# KiCad board v2a.kicad_pcb
note: AISLER Project ID: WKVKCAJK
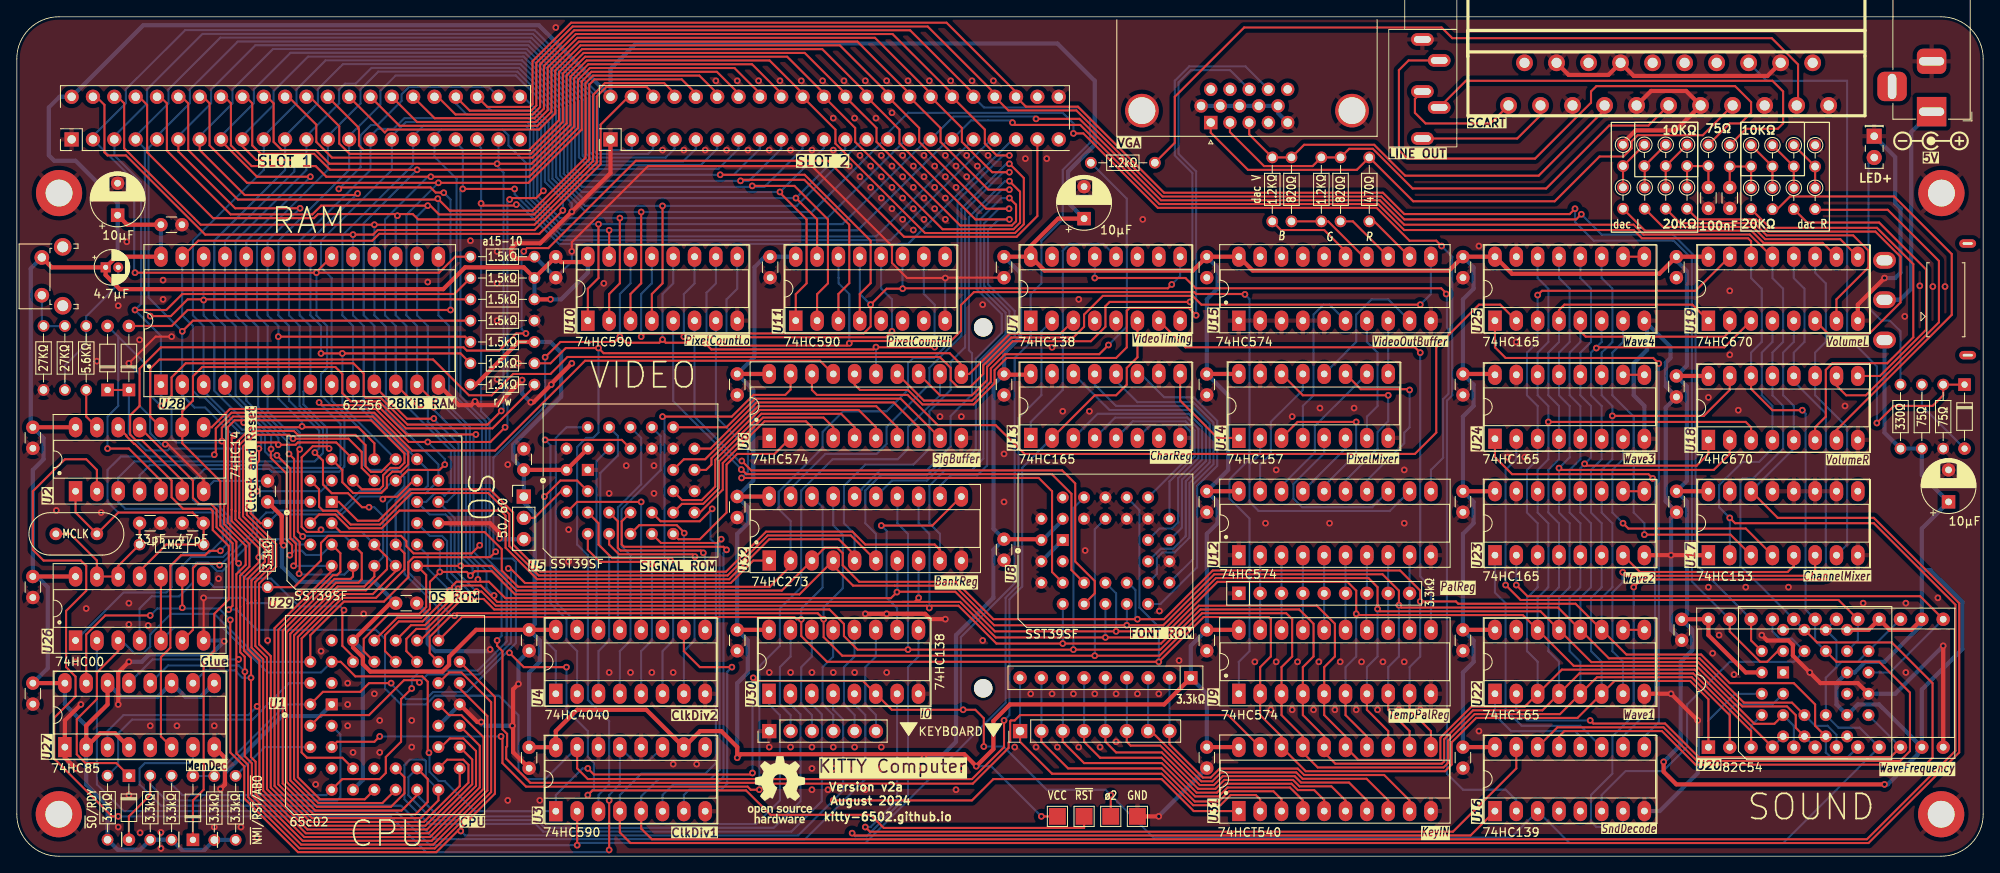
[diagram p0: board, top side]
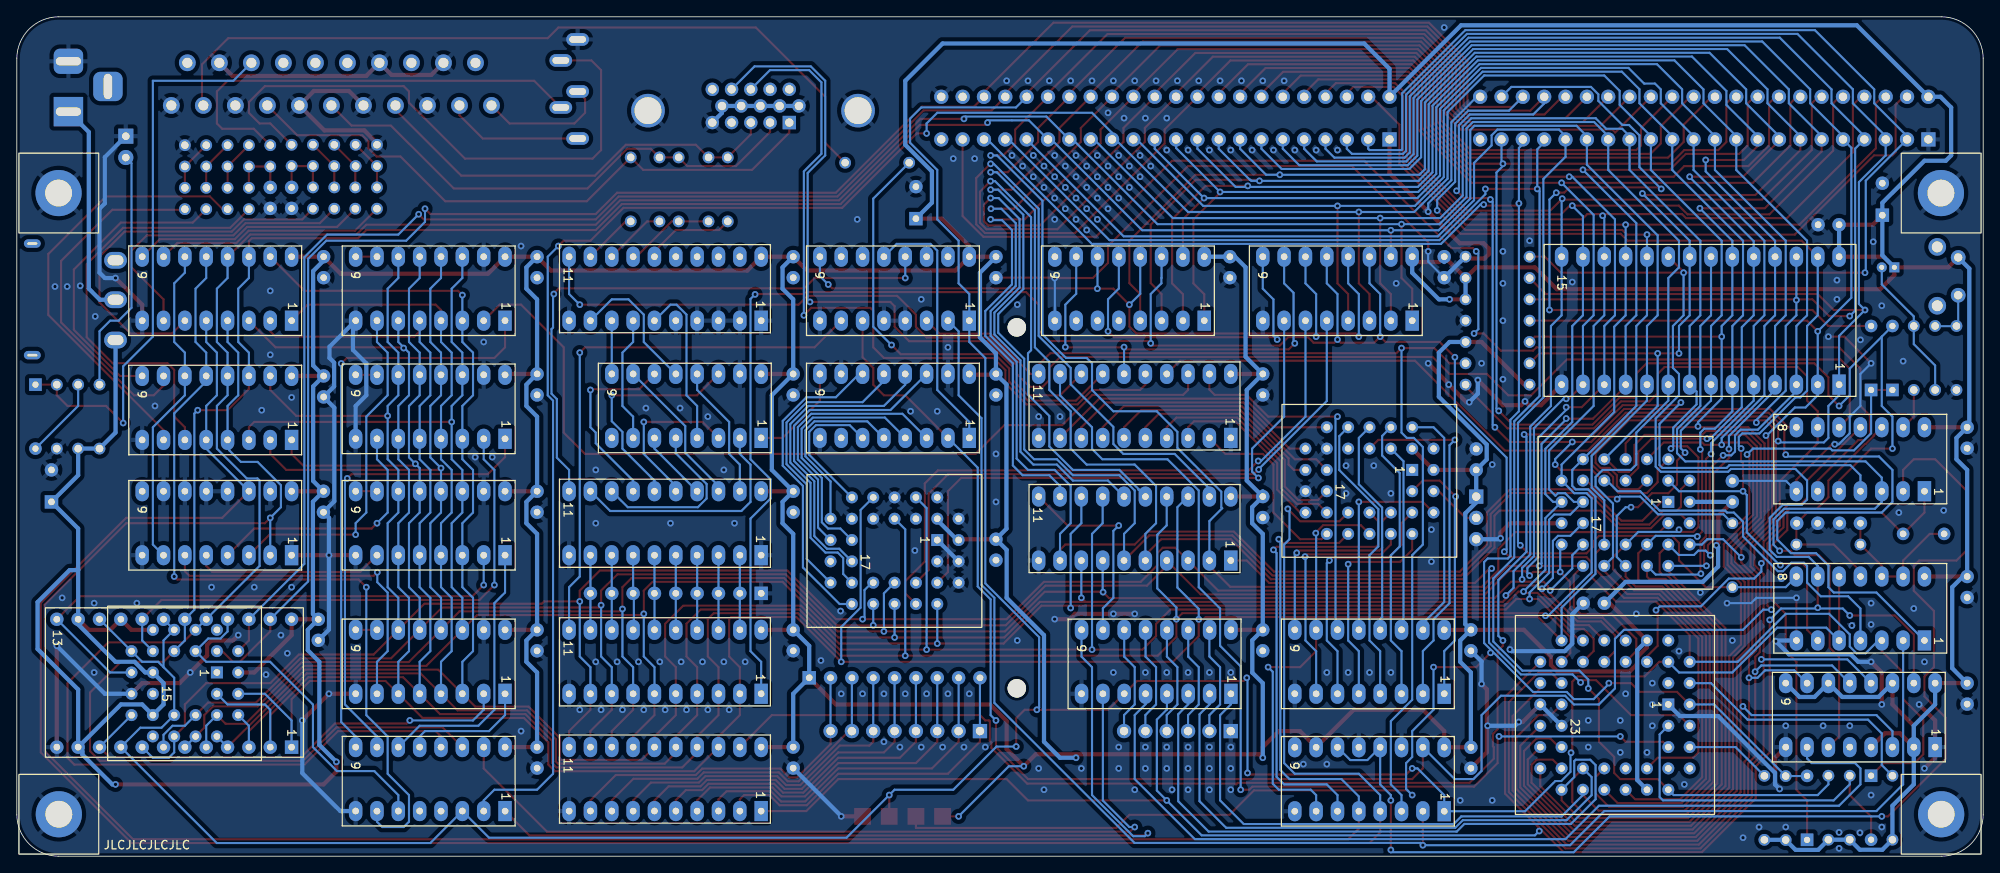
[diagram p1: board, bottom side, seen from below]

Outline 234 x 100 mm; copper layers: Top, Bottom. Coordinates in mm from the lower left corner of the outline.
Outline path: 0,95 0,5 arc(1.46,1.46) 5,0 229,0 arc(232.54,1.46) 234,5 234,95 arc(232.54,98.54) 229,100 5,100 arc(1.46,98.54) 0,95
Stack: Top 0.035mm / dielectric 1.51mm FR4 er 4.5 / Bottom 0.035mm

## Placement (name value [footprint] x y rotation side)
C1  4.7µF  [CP_Radial_D4.0mm_P1.50mm]  10.57 70.15 0 top
C2  33pF  [C_Disc_D3.0mm_W1.6mm_P2.50mm]  14.61 39.67 0 top
C3  47pF  [C_Disc_D3.0mm_W1.6mm_P2.50mm]  22.19 39.67 180 top
C4  100nF  [C_Disc_D3.0mm_W1.6mm_P2.50mm]  201.3 77.17 90 top
C5  100nF  [C_Disc_D3.0mm_W1.6mm_P2.50mm]  203.84 77.17 90 top
C6  10µF  [CP_Radial_D6.3mm_P3.8mm]  229.88 42.84 90 top
C7  10µF  [CP_Radial_D6.3mm_P3.8mm]  127 76.59 90 top
C8  10µF  [CP_Radial_D6.3mm_P3.8mm]  12 77 90 top
Cd1  100nF  [C_Disc_D3.0mm_W1.6mm_P2.50mm]  141.61 26.97 270 top
Cd2  100nF  [C_Disc_D3.0mm_W1.6mm_P2.50mm]  141.61 13 270 top
Cd3  100nF  [C_Disc_D3.0mm_W1.6mm_P2.50mm]  117.48 57.45 270 top
Cd4  100nF  [C_Disc_D3.0mm_W1.6mm_P2.50mm]  85.73 42.84 270 top
Cd5  100nF  [C_Disc_D3.0mm_W1.6mm_P2.50mm]  89.65 71.42 270 top
Cd6  100nF  [C_Disc_D3.0mm_W1.6mm_P2.50mm]  117.48 37.77 270 top
Cd7  100nF  [C_Disc_D3.0mm_W1.6mm_P2.50mm]  85.73 57.45 270 top
Cd8  100nF  [C_Disc_D3.0mm_W1.6mm_P2.50mm]  60.97 26.97 270 top
Cd9  100nF  [C_Disc_D3.0mm_W1.6mm_P2.50mm]  172.09 43.48 270 top
Cd10  100nF  [C_Disc_D3.0mm_W1.6mm_P2.50mm]  29.85 42.21 90 top
Cd11  100nF  [C_Disc_D3.0mm_W1.6mm_P2.50mm]  60.97 12.98 270 top
Cd12  100nF  [C_Disc_D3.0mm_W1.6mm_P2.50mm]  141.61 71.42 270 top
Cd13  100nF  [C_Disc_D3.0mm_W1.6mm_P2.50mm]  1.91 33.32 270 top
Cd14  100nF  [C_Disc_D3.0mm_W1.6mm_P2.50mm]  45.09 30.14 0 top
Cd15  100nF  [C_Disc_D3.0mm_W1.6mm_P2.50mm]  1.91 20.62 270 top
Cd16  100nF  [C_Disc_D3.0mm_W1.6mm_P2.50mm]  172.09 26.97 270 top
Cd17  100nF  [C_Disc_D3.0mm_W1.6mm_P2.50mm]  141.61 57.45 270 top
Cd18  100nF  [C_Disc_D3.0mm_W1.6mm_P2.50mm]  17.15 75.23 0 top
Cd19  100nF  [C_Disc_D3.0mm_W1.6mm_P2.50mm]  64.14 71.42 270 top
Cd20  100nF  [C_Disc_D3.0mm_W1.6mm_P2.50mm]  198.12 28.22 270 top
Cd22  100nF  [C_Disc_D3.0mm_W1.6mm_P2.50mm]  197.51 43.48 270 top
Cd23  100nF  [C_Disc_D3.0mm_W1.6mm_P2.50mm]  197.49 71.42 270 top
Cd24  100nF  [C_Disc_D3.0mm_W1.6mm_P2.50mm]  197.49 57.21 270 top
Cd25  100nF  [C_Disc_D3.0mm_W1.6mm_P2.50mm]  85.73 26.97 270 top
Cd26  100nF  [C_Disc_D3.0mm_W1.6mm_P2.50mm]  141.61 43.48 270 top
Cd27  100nF  [C_Disc_D3.0mm_W1.6mm_P2.50mm]  1.91 51.1 270 top
Cd28  100nF  [C_Disc_D3.0mm_W1.6mm_P2.50mm]  172.09 57.45 270 top
Cd29  100nF  [C_Disc_D3.0mm_W1.6mm_P2.50mm]  117.48 71.42 270 top
Cd30  100nF  [C_Disc_D3.0mm_W1.6mm_P2.50mm]  172.09 71.42 270 top
Cd31  100nF  [C_Disc_D3.0mm_W1.6mm_P2.50mm]  60.33 46.02 90 top
Cd32  100nF  [C_Disc_D3.0mm_W1.6mm_P2.50mm]  172.09 13 270 top
D1  1N4148  [D_DO-34_SOD68_P7.62mm_Horizontal]  13.34 9.59 270 top
D2  1N4148  [D_DO-34_SOD68_P7.62mm_Horizontal]  20.96 1.95 90 top
D3  Power LED  [LED_Rectangular_W5.0mm_H2.0mm]  221.03 85.78 270 top
D4  1N4148  [D_DO-34_SOD68_P7.62mm_Horizontal]  13.34 55.55 90 top
D5  1N4148  [D_DO-34_SOD68_P7.62mm_Horizontal]  10.8 55.55 90 top
D6  1N4148  [D_DO-34_SOD68_P7.62mm_Horizontal]  231.78 56.18 270 top
H1  MountingHole_Pad  [MountingHole_3.2mm_M3_ISO14580_Pad]  5.03 79 0 top
H2  MountingHole_Pad  [MountingHole_3.2mm_M3_ISO14580_Pad]  5 5 0 top
H3  MountingHole_Pad  [MountingHole_3.2mm_M3_ISO14580_Pad]  229.03 79 0 top
H4  MountingHole_Pad  [MountingHole_3.2mm_M3_ISO14580_Pad]  229 5 0 top
H5  MountingHole  [MountingHole_2.2mm_M2]  115 63 0 top
H6  MountingHole  [MountingHole_2.2mm_M2]  115 20 0 top
J1  Conn_01x06_Pin  [PinHeader_1x06_P2.54mm_Vertical]  89.54 14.91 90 top
J2  KeyOUT  [PinHeader_1x08_P2.54mm_Vertical]  119.38 14.91 90 top
J3  Barrel_Jack_MountingPin  [BarrelJack_Horizontal]  227.86 88.7 270 top
J4  SCART-F  [SCART]  196.56 96.72 180 top
J5  Conn_02x22_Odd_Even  [EdgeHeader_2x22_P2.54mm_Vertical]  6.52 85.39 90 top
J6  Conn_02x22_Odd_Even  [EdgeHeader_2x22_P2.54mm_Vertical]  70.65 85.39 90 top
J7  DE15_Plug_HighDensity_MountingHoles  [DSUB-15-HD_Female_Horizontal_P2.29x1.98mm_EdgePinOffset8.35mm_Housed_MountingHolesOffset10.89mm]  142.07 87.4 180 top
J8  PJ-325  [Jack_3.5mm_PJ-325]  171.36 98.5 180 top
J9  Conn_01x03_Pin  [PinHeader_1x03_P2.54mm_Vertical]  60.33 42.84 0 top
R1  3.3kΩ  [R_Horizontal]  15.88 9.59 270 top
R2  1.5kΩ  [R_Horizontal]  61.6 56.18 180 top
R3  3.3kΩ  [R_Horizontal]  18.42 9.59 270 top
R4  27KΩ  [R_Horizontal]  3.18 63.17 270 top
R5  27KΩ  [R_Horizontal]  5.72 63.17 270 top
R6  5.6KΩ  [R_Horizontal]  8.26 63.17 270 top
R7  1MΩ  [R_Horizontal]  14.61 37.13 0 top
R8  1.5kΩ  [R_Horizontal]  53.98 58.72 0 top
R9  1.5kΩ  [R_Horizontal]  53.98 61.26 0 top
R10  1.5kΩ  [R_Horizontal]  53.98 63.8 0 top
R11  1.5kΩ  [R_Horizontal]  53.98 66.34 0 top
R12  1.5kΩ  [R_Horizontal]  53.98 68.88 0 top
R13  1.5kΩ  [R_Horizontal]  53.98 71.42 0 top
R14  1.2KΩ  [R_Horizontal]  149.4 75.63 90 top
R15  820Ω  [R_Horizontal]  151.68 75.63 90 top
R16  1.2KΩ  [R_Horizontal]  155.24 75.63 90 top
R17  820Ω  [R_Horizontal]  157.53 75.63 90 top
R18  470Ω  [R_Horizontal]  160.94 75.63 90 top
R19  20KΩ  [RESISTOR VERT_WIDE]  191.14 79.67 270 top
R20  20KΩ  [RESISTOR VERT_WIDE]  193.72 79.67 270 top
R21  20KΩ  [RESISTOR VERT_WIDE]  196.22 79.67 270 top
R22  20KΩ  [RESISTOR VERT_WIDE]  198.76 79.67 270 top
R23  20KΩ  [RESISTOR VERT_WIDE]  191.14 84.75 270 top
R24  10KΩ  [RESISTOR VERT_WIDE]  193.68 84.75 270 top
R25  10KΩ  [RESISTOR VERT_WIDE]  196.22 84.75 270 top
R26  10KΩ  [RESISTOR VERT_WIDE]  198.76 84.76 270 top
R27  75Ω  [RESISTOR VERT_WIDE]  201.3 84.75 270 top
R28  20KΩ  [RESISTOR VERT_WIDE]  214 79.62 270 top
R29  20KΩ  [RESISTOR VERT_WIDE]  211.46 79.62 270 top
R30  20KΩ  [RESISTOR VERT_WIDE]  208.92 79.62 270 top
R31  20KΩ  [RESISTOR VERT_WIDE]  206.38 79.62 270 top
R32  20KΩ  [RESISTOR VERT_WIDE]  214 84.7 270 top
R33  10KΩ  [RESISTOR VERT_WIDE]  211.46 84.7 270 top
R34  10KΩ  [RESISTOR VERT_WIDE]  208.92 84.7 270 top
R35  10KΩ  [RESISTOR VERT_WIDE]  206.38 84.7 270 top
R36  75Ω  [RESISTOR VERT_WIDE]  203.84 84.7 270 top
R37  3.3kΩ  [R_Horizontal]  29.85 32.05 90 top
R38  75Ω  [R_Horizontal]  226.7 48.56 90 top
R39  1.2kΩ  [R_Horizontal]  127.81 82.61 0 top
R40  75Ω  [R_Horizontal]  229.24 56.18 270 top
R41  330Ω  [R_Horizontal]  224.16 48.56 90 top
R42  3.3kΩ  [R_Horizontal]  10.8 9.59 270 top
R43  3.3kΩ  [R_Horizontal]  23.5 9.55 270 top
R44  3.3kΩ  [R_Horizontal]  26.04 9.57 270 top
REF**  -  [CenterPositiveSymbol]  227.97 85.34 0 top
RN1  3.3kΩ  [R_Array_SIP9]  145.42 31.31 0 top
RN2  3.3kΩ  [R_Array_SIP9]  139.71 21.25 180 top
SW1  RESET Switch  [SW_Tactile_SPST_Angled_PTS645Vx83-2LFS]  2.98 66.83 90 top
SW2  SS-12D11-G5  [SW_Slide_1P2T_CK_OS102011MS2Q]  229.56 64.29 90 top
SY1  Logo_Open_Hardware_Small  [OSHW-Logo_7.5x8mm_SilkScreen]  90.81 7.92 0 top
TP1  TestPoint  [TestPoint_Pad_2.0x2.0mm]  123.83 4.75 0 top
TP2  TestPoint  [TestPoint_Pad_2.0x2.0mm]  133.35 4.75 0 top
TP3  TestPoint  [TestPoint_Pad_2.0x2.0mm]  127 4.75 0 top
TP4  TestPoint  [TestPoint_Pad_2.0x2.0mm]  130.18 4.75 0 top
U1  65c02  [PLCC-44_THT-Socket_TWEAK]  37.47 18.08 90 top
U2  74HC14  [DIP-14_W7.62mm_Socket_LongPads_TWEAK]  6.99 43.48 90 top
U3  74HC590  [DIP-16_W7.62mm_Socket_LongPads_TWEAK]  64.14 5.36 90 top
U4  74HC4040  [DIP-16_W7.62mm_Socket_LongPads_TWEAK]  64.14 19.35 90 top
U5  SST39SF  [PLCC-32_THT-Socket_TWEAK]  67.95 46.02 90 top
U6  74HC574  [DIP-20_W7.62mm_Socket_LongPads_TWEAK]  89.54 49.83 90 top
U7  74HC138  [DIP-16_W7.62mm_Socket_LongPads_TWEAK]  120.66 63.8 90 top
U8  SST39SF  [PLCC-32_THT-Socket_TWEAK]  124.47 37.67 90 top
U9  74HC574  [DIP-20_W7.62mm_Socket_LongPads_TWEAK]  145.42 19.35 90 top
U10  74HC590  [DIP-16_W7.62mm_Socket_LongPads_TWEAK]  67.95 63.8 90 top
U11  74HC590  [DIP-16_W7.62mm_Socket_LongPads_TWEAK]  92.69 63.8 90 top
U12  74HC574  [DIP-20_W7.62mm_Socket_LongPads_TWEAK]  145.42 35.86 90 top
U13  74HC165  [DIP-16_W7.62mm_Socket_LongPads_TWEAK]  120.66 49.83 90 top
U14  74HC157  [DIP-16_W7.62mm_Socket_LongPads_TWEAK]  145.42 49.83 90 top
U15  74HC574  [DIP-20_W7.62mm_Socket_LongPads_TWEAK]  145.42 63.8 90 top
U16  74HC139  [DIP-16_W7.62mm_Socket_LongPads_TWEAK]  175.9 5.38 90 top
U17  74HC153  [DIP-16_W7.62mm_Socket_LongPads_TWEAK]  201.3 35.86 90 top
U18  74HC670  [DIP-16_W7.62mm_Socket_LongPads_TWEAK]  201.3 49.59 90 top
U19  74HC670  [DIP-16_W7.62mm_Socket_LongPads_TWEAK]  201.3 63.8 90 top
U20  82C54  [DIP-24_W15.24mm_Socket_TWEAK]  201.3 12.99 90 top
U21  82C54 (PLCC)  [PLCC-28_THT-Socket_TWEAK]  210.19 21.89 90 top
U22  74HC165  [DIP-16_W7.62mm_Socket_LongPads_TWEAK]  175.9 19.35 90 top
U23  74HC165  [DIP-16_W7.62mm_Socket_LongPads_TWEAK]  175.9 35.86 90 top
U24  74HC165  [DIP-16_W7.62mm_Socket_LongPads_TWEAK]  175.9 49.73 90 top
U25  74HC165  [DIP-16_W7.62mm_Socket_LongPads_TWEAK]  175.9 63.8 90 top
U26  74HC00  [DIP-14_W7.62mm_Socket_LongPads_TWEAK]  6.99 25.7 90 top
U27  74HC85  [DIP-16_W7.62mm_Socket_LongPads_TWEAK]  5.72 13 90 top
U28  62256  [DIP-28_W15.24mm_Socket_LongPads_TWEAK]  17.15 56.18 90 top
U29  SST39SF  [PLCC-32_THT-Socket_TWEAK]  37.47 42.21 90 top
U30  74HC138  [DIP-16_W7.62mm_Socket_LongPads_TWEAK]  89.52 19.35 90 top
U31  74HCT540  [DIP-20_W7.62mm_Socket_LongPads_TWEAK]  145.42 5.38 90 top
U32  74HC273  [DIP-20_W7.62mm_Socket_LongPads_TWEAK]  89.54 35.22 90 top
Y1  MCLK  [Crystal_HC49-U_Vertical]  9.53 38.4 180 top

## Library data of the parts
C1 C6-C8 = -: ki_fp_filters: CP_*
C2-C5 Cd1-Cd20 Cd22-Cd32 = -: ki_fp_filters: C_*
D1 D2 D4-D6 = -: Datasheet: https://assets.nexperia.com/documents/data-sheet/1N4148_1N4448.pdf; Description: 100V 0.15A standard switching diode, DO-35; Sim.Device: D; Sim.Pins: 1=K 2=A; ki_fp_filters: D*DO?35*
D3 = -: ki_fp_filters: LED* LED_SMD:* LED_THT:*
H1-H4 = -: ki_fp_filters: MountingHole*Pad*
H5 H6 = -: Description: Mounting Hole without connection; ki_fp_filters: MountingHole*
J1 = -: Description: Generic connector, single row, 01x06, script generated; ki_fp_filters: Connector*:*_1x??_*
J2 J9 = -: ki_fp_filters: Connector*:*_1x??_*
J3 = -: ki_fp_filters: BarrelJack*
J5 J6 = -: ki_fp_filters: Connector*:*_2x??_*
J7 = -: ki_fp_filters: DSUB*Male*
J8 = -: ki_fp_filters: Jack*
R1-R44 = -: ki_fp_filters: R_*
RN1 RN2 = -: Datasheet: http://www.vishay.com/docs/31509/csc.pdf; ki_fp_filters: R?Array?SIP*
TP1-TP4 = -: ki_fp_filters: Pin* Test*
U1 = -: Datasheet: http://www.westerndesigncenter.com/wdc/documentation/w65c02s.pdf; ki_fp_filters: PLCC-44*
U2 = -: Datasheet: http://www.ti.com/lit/gpn/sn74HC14; ki_fp_filters: DIP*W7.62mm*
U3 = -: Datasheet: https://assets.nexperia.com/documents/data-sheet/74HC590.pdf; ki_fp_filters: DIP*W7.62mm* SOIC*3.9x9.9mm*P1.27mm* TSSOP*4.4x5mm*P0.65mm* SOIC*5.3x10.2mm*P1.27mm* SOIC*7.5x10.3mm*P1.27mm*
U4 = -: Datasheet: http://www.intersil.com/content/dam/Intersil/documents/cd40/cd4020bms-24bms-40bms.pdf; ki_fp_filters: DIP?16*
U5 = -: Datasheet: https://ww1.microchip.com/downloads/aemDocuments/documents/OTH/ProductDocuments/DataSheets/20005022C.pdf; Label: Video Sig ROM; ki_fp_filters: PLCC-32* DIP-32_W15.24mm*
U6 U9 U12 U15 = -: Datasheet: http://www.ti.com/lit/gpn/sn74HCT574; ki_fp_filters: DIP?20*
U7 U30 = -: Datasheet: http://www.ti.com/lit/ds/symlink/cd74hc238.pdf; ki_fp_filters: DIP*W7.62mm* SOIC*3.9x9.9mm*P1.27mm* SSOP*5.3x6.2mm*P0.65mm*
U8 U29 = -: Datasheet: https://ww1.microchip.com/downloads/aemDocuments/documents/OTH/ProductDocuments/DataSheets/20005022C.pdf; ki_fp_filters: PLCC-32* DIP-32_W15.24mm*
U10 U11 = -: Datasheet: http://www.ti.com/lit/ds/symlink/sn74hc590a.pdf; ki_fp_filters: DIP*W7.62mm* SOIC*3.9x9.9mm*P1.27mm* TSSOP*4.4x5mm*P0.65mm* SOIC*5.3x10.2mm*P1.27mm* SOIC*7.5x10.3mm*P1.27mm*
U13 U22-U25 = -: Datasheet: https://assets.nexperia.com/documents/data-sheet/74HC_HCT165.pdf; ki_fp_filters: DIP?16* SO*16*3.9x9.9mm*P1.27mm* SSOP*16*5.3x6.2mm*P0.65mm* TSSOP*16*4.4x5mm*P0.65*
U14 = -: Datasheet: http://www.ti.com/lit/gpn/sn74LS157; ki_fp_filters: DIP?16*
U16 = -: Datasheet: http://www.ti.com/lit/ds/symlink/sn74ls139a.pdf; ki_fp_filters: DIP?16*
U17 = -: Datasheet: http://www.ti.com/lit/gpn/sn74LS153; ki_fp_filters: DIP?16*
U18 U19 = -: Datasheet: http://www.ti.com/lit/gpn/sn74LS670; ki_fp_filters: DIP?16*
U20 = -: Datasheet: http://download.intel.com/design/archives/periphrl/docs/23124406.pdf; ki_fp_filters: DIP*W15.24mm*
U21 = -: Datasheet: http://download.intel.com/design/archives/periphrl/docs/23124406.pdf; ki_fp_filters: *PLCC?28*
U26 = -: Datasheet: http://www.ti.com/lit/gpn/sn74hc00; ki_fp_filters: DIP*W7.62mm* SO14*
U27 = -: Datasheet: https://assets.nexperia.com/documents/data-sheet/74HC_HCT85.pdf; Description: 4-bit Comparator; ki_fp_filters: DIP?16* TSSOP*4.4*5mm*P0.65mm* SO*3.9*9.9mm*P1.27mm* SO*5.3*10.2mm*P1.27mm*
U28 = -: Datasheet: https://web.mit.edu/6.115/www/document/62256.pdf; ki_fp_filters: DIP*W15.24mm*
U31 = -: Datasheet: http://www.ti.com/lit/gpn/sn74LS540; ki_fp_filters: DIP?20*
U32 = -: Datasheet: https://assets.nexperia.com/documents/data-sheet/74AHC_AHCT273.pdf; ki_fp_filters: DIP?20* SO?20* SOIC?20*
Y1 = -: ki_fp_filters: Crystal*

## Footprints (pads in the part's own frame, mm; a bottom-side part is the same pattern mirrored in y, then rotated)
BarrelJack_Horizontal
  rect 3.5x3.5 hole 1x3: 1(0,0)
  rrect 3x3.5 hole 1x3: 2(-6,0)
  rrect 3.5x3.5 hole 3x1: MP(-3,-4.7)
C_Disc_D3.0mm_W1.6mm_P2.50mm
  round 1.6 hole 0.8: 1(0,0) 2(2.5,0)
CP_Radial_D4.0mm_P1.50mm
  rect 1.2x1.2 hole 0.6: 1(0,0)
  round 1.2 hole 0.6: 2(1.5,0)
CP_Radial_D6.3mm_P3.8mm
  rect 1.6x1.6 hole 0.8: 1(-0.635,0)
  round 1.6 hole 0.8: 2(3.175,0)
Crystal_HC49-U_Vertical
  round 1.5 hole 0.8: 1(0,0) 2(4.88,0)
D_DO-34_SOD68_P7.62mm_Horizontal
  rect 1.5x1.5 hole 0.75: 1(0,0)
  oval 1.5x1.5 hole 0.75: 2(7.62,0)
DIP-14_W7.62mm_Socket_LongPads_TWEAK
  rect 2.4x1.6 hole 0.8: 1(0,0)
  oval 2.4x1.6 hole 0.8: 2(0,-2.54) 3(0,-5.08) 4(0,-7.62) 5(0,-10.16) 6(0,-12.7) 7(0,-15.24) 8(7.62,-15.24) 9(7.62,-12.7) 10(7.62,-10.16) 11(7.62,-7.62) 12(7.62,-5.08) 13(7.62,-2.54) 14(7.62,0)
DIP-16_W7.62mm_Socket_LongPads_TWEAK
  rect 2.4x1.6 hole 0.8: 1(0,0)
  oval 2.4x1.6 hole 0.8: 2(0,-2.54) 3(0,-5.08) 4(0,-7.62) 5(0,-10.16) 6(0,-12.7) 7(0,-15.24) 8(0,-17.78) 9(7.62,-17.78) 10(7.62,-15.24) 11(7.62,-12.7) 12(7.62,-10.16) 13(7.62,-7.62) 14(7.62,-5.08) 15(7.62,-2.54) 16(7.62,0)
DIP-20_W7.62mm_Socket_LongPads_TWEAK
  rect 2.4x1.6 hole 0.8: 1(0,0)
  oval 2.4x1.6 hole 0.8: 2(0,-2.54) 3(0,-5.08) 4(0,-7.62) 5(0,-10.16) 6(0,-12.7) 7(0,-15.24) 8(0,-17.78) 9(0,-20.32) 10(0,-22.86) 11(7.62,-22.86) 12(7.62,-20.32) 13(7.62,-17.78) 14(7.62,-15.24) 15(7.62,-12.7) 16(7.62,-10.16) 17(7.62,-7.62) 18(7.62,-5.08) 19(7.62,-2.54) 20(7.62,0)
DIP-24_W15.24mm_Socket_TWEAK
  rect 1.6x1.6 hole 0.8: 1(0,0)
  oval 1.6x1.6 hole 0.8: 2(0,-2.54) 3(0,-5.08) 4(0,-7.62) 5(0,-10.16) 6(0,-12.7) 7(0,-15.24) 8(0,-17.78) 9(0,-20.32) 10(0,-22.86) 11(0,-25.4) 12(0,-27.94) 13(15.24,-27.94) 14(15.24,-25.4) 15(15.24,-22.86) 16(15.24,-20.32) 17(15.24,-17.78) 18(15.24,-15.24) 19(15.24,-12.7) 20(15.24,-10.16) 21(15.24,-7.62) 22(15.24,-5.08) 23(15.24,-2.54) 24(15.24,0)
DIP-28_W15.24mm_Socket_LongPads_TWEAK
  rect 2.4x1.6 hole 0.8: 1(0,0)
  oval 2.4x1.6 hole 0.8: 2(0,-2.54) 3(0,-5.08) 4(0,-7.62) 5(0,-10.16) 6(0,-12.7) 7(0,-15.24) 8(0,-17.78) 9(0,-20.32) 10(0,-22.86) 11(0,-25.4) 12(0,-27.94) 13(0,-30.48) 14(0,-33.02) 15(15.24,-33.02) 16(15.24,-30.48) 17(15.24,-27.94) 18(15.24,-25.4) 19(15.24,-22.86) 20(15.24,-20.32) 21(15.24,-17.78) 22(15.24,-15.24) 23(15.24,-12.7) 24(15.24,-10.16) 25(15.24,-7.62) 26(15.24,-5.08) 27(15.24,-2.54) 28(15.24,0)
DSUB-15-HD_Female_Horizontal_P2.29x1.98mm_EdgePinOffset8.35mm_Housed_MountingHolesOffset10.89mm
  round 4 hole 3.2: 0(-16.815,-1.42) 0(8.185,-1.42)
  rect 1.6x1.6 hole 1: 1(0,0)
  round 1.6 hole 1: 2(-2.29,0) 3(-4.58,0) 4(-6.87,0) 5(-9.16,0) 6(1.145,-1.98) 7(-1.145,-1.98) 8(-3.435,-1.98) 9(-5.725,-1.98) 10(-8.015,-1.98) 11(0,-3.96) 12(-2.29,-3.96) 13(-4.58,-3.96) 14(-6.87,-3.96) 15(-9.16,-3.96)
EdgeHeader_2x22_P2.54mm_Vertical
  rect 1.7x1.7 hole 1: 1(0,0)
  oval 1.7x1.7 hole 1: 2(5.08,0) 3(0,-2.54) 4(5.08,-2.54) 5(0,-5.08) 6(5.08,-5.08) 7(0,-7.62) 8(5.08,-7.62) 9(0,-10.16) 10(5.08,-10.16) 11(0,-12.7) 12(5.08,-12.7) 13(0,-15.24) 14(5.08,-15.24) 15(0,-17.78) 16(5.08,-17.78) 17(0,-20.32) 18(5.08,-20.32) 19(0,-22.86) 20(5.08,-22.86) 21(0,-25.4) 22(5.08,-25.4) 23(0,-27.94) 24(5.08,-27.94) 25(0,-30.48) 26(5.08,-30.48) 27(0,-33.02) 28(5.08,-33.02) 29(0,-35.56) 30(5.08,-35.56) 31(0,-38.1) 32(5.08,-38.1) 33(0,-40.64) 34(5.08,-40.64) 35(0,-43.18) 36(5.08,-43.18) 37(0,-45.72) 38(5.08,-45.72) 39(0,-48.26) 40(5.08,-48.26)
  round 1.7 hole 1: 41(0,-50.8) 42(5.08,-50.8) 43(0,-53.34) 44(5.08,-53.34)
Jack_3.5mm_PJ-325
  oval 2.7x1.5 hole 2x0.8: R(2.1,9.3) RN(4.1,7.4) S(4.1,1.2) T(2.1,3.7) TN(4.1,13)
LED_Rectangular_W5.0mm_H2.0mm
  rect 1.8x1.8 hole 0.9: 1(0,0)
  round 1.8 hole 0.9: 2(2.54,0)
MountingHole_2.2mm_M2
  round 2.2 hole 2.2 unplated: (0,0)
MountingHole_3.2mm_M3_ISO14580_Pad
  round 5.5 hole 3.2: 1(0,0)
PinHeader_1x03_P2.54mm_Vertical
  rect 1.7x1.7 hole 1: 1(0,0)
  oval 1.7x1.7 hole 1: 2(0,-2.54) 3(0,-5.08)
PinHeader_1x06_P2.54mm_Vertical
  rect 1.7x1.7 hole 1: 1(0,0)
  oval 1.7x1.7 hole 1: 2(0,-2.54) 3(0,-5.08) 4(0,-7.62) 5(0,-10.16) 6(0,-12.7)
PinHeader_1x08_P2.54mm_Vertical
  rect 1.7x1.7 hole 1: 1(0,0)
  oval 1.7x1.7 hole 1: 2(0,-2.54) 3(0,-5.08) 4(0,-7.62) 5(0,-10.16) 6(0,-12.7) 7(0,-15.24) 8(0,-17.78)
PLCC-28_THT-Socket_TWEAK
  rect 1.422x1.422 hole 0.8: 1(0,0)
  round 1.422 hole 0.8: 2(-2.54,2.54) 3(-2.54,0) 4(-5.08,2.54) 5(-7.62,0) 6(-5.08,0) 7(-7.62,-2.54) 8(-5.08,-2.54) 9(-7.62,-5.08) 10(-5.08,-5.08) 11(-7.62,-7.62) 12(-5.08,-10.16) 13(-5.08,-7.62) 14(-2.54,-10.16) 15(-2.54,-7.62) 16(0,-10.16) 17(0,-7.62) 18(2.54,-10.16) 19(5.08,-7.62) 20(2.54,-7.62) 21(5.08,-5.08) 22(2.54,-5.08) 23(5.08,-2.54) 24(2.54,-2.54) 25(5.08,0) 26(2.54,2.54) 27(2.54,0) 28(0,2.54)
PLCC-32_THT-Socket_TWEAK
  rect 1.422x1.422 hole 0.8: 1(0,0)
  round 1.422 hole 0.8: 2(-2.54,2.54) 3(-2.54,0) 4(-5.08,2.54) 5(-7.62,0) 6(-5.08,0) 7(-7.62,-2.54) 8(-5.08,-2.54) 9(-7.62,-5.08) 10(-5.08,-5.08) 11(-7.62,-7.62) 12(-5.08,-7.62) 13(-7.62,-10.16) 14(-5.08,-12.7) 15(-5.08,-10.16) 16(-2.54,-12.7) 17(-2.54,-10.16) 18(0,-12.7) 19(0,-10.16) 20(2.54,-12.7) 21(5.08,-10.16) 22(2.54,-10.16) 23(5.08,-7.62) 24(2.54,-7.62) 25(5.08,-5.08) 26(2.54,-5.08) 27(5.08,-2.54) 28(2.54,-2.54) 29(5.08,0) 30(2.54,2.54) 31(2.54,0) 32(0,2.54)
PLCC-44_THT-Socket_TWEAK
  rect 1.422x1.422 hole 0.8: 1(0,0)
  round 1.422 hole 0.8: 2(-2.54,2.54) 3(-2.54,0) 4(-5.08,2.54) 5(-5.08,0) 6(-7.62,2.54) 7(-10.16,0) 8(-7.62,0) 9(-10.16,-2.54) 10(-7.62,-2.54) 11(-10.16,-5.08) 12(-7.62,-5.08) 13(-10.16,-7.62) 14(-7.62,-7.62) 15(-10.16,-10.16) 16(-7.62,-10.16) 17(-10.16,-12.7) 18(-7.62,-15.24) 19(-7.62,-12.7) 20(-5.08,-15.24) 21(-5.08,-12.7) 22(-2.54,-15.24) 23(-2.54,-12.7) 24(0,-15.24) 25(0,-12.7) 26(2.54,-15.24) 27(2.54,-12.7) 28(5.08,-15.24) 29(7.62,-12.7) 30(5.08,-12.7) 31(7.62,-10.16) 32(5.08,-10.16) 33(7.62,-7.62) 34(5.08,-7.62) 35(7.62,-5.08) 36(5.08,-5.08) 37(7.62,-2.54) 38(5.08,-2.54) 39(7.62,0) 40(5.08,2.54) 41(5.08,0) 42(2.54,2.54) 43(2.54,0) 44(0,2.54)
R_Array_SIP9
  rect 1.6x1.6 hole 0.8: 1(0,0)
  oval 1.6x1.6 hole 0.8: 2(2.54,0) 3(5.08,0) 4(7.62,0) 5(10.16,0) 6(12.7,0) 7(15.24,0) 8(17.78,0) 9(20.32,0)
R_Horizontal
  round 1.4 hole 0.9: 1(0,0) 2(7.62,0)
RESISTOR VERT_WIDE
  round 1.4 hole 0.9: 1(0,0) 2(2.54,0)
SCART
  round 1.999 hole 1.199: 1(19.05,7.28) 2(17.145,2.2) 3(15.24,7.28) 4(13.335,2.2) 5(11.43,7.28) 6(9.525,2.2) 7(7.62,7.28) 8(5.715,2.2) 9(3.81,7.28) 10(1.905,2.2) 11(0,7.28) 12(-1.905,2.2) 13(-3.81,7.28) 14(-5.715,2.2) 15(-7.62,7.28) 16(-9.525,2.2) 17(-11.43,7.28) 18(-13.335,2.2) 19(-15.24,7.28) 20(-17.145,2.2) 21(-19.05,7.28)
SW_Slide_1P2T_CK_OS102011MS2Q
  oval 1x2 hole 0.3x1.2: (-4.6,-2.6) (8.7,-2.6)
  oval 2x2.7 hole 1.2x1.9: 1(-2.8,7.3) 2(2,7.3) 3(6.7,7.3)
SW_Tactile_SPST_Angled_PTS645Vx83-2LFS
  round 2.1 hole 1.3: (-1.25,-2.49) (5.76,-2.49)
  round 1.75 hole 0.99: 1(0,0) 2(4.5,0)
TestPoint_Pad_2.0x2.0mm
  rect 2x2 smd: 1(0,0)
